# Altium PCB AD9864.PcbDoc
Units mil, origin at the board's own origin, x right, y up, seen from the top; angles counter-clockwise.
Board outline 1600 x 1421 mil, 4 copper layers (Top Layer, Layer 1, Layer 2, Bottom Layer), stack 23.756 mil thick; 57 components, 43 nets, 192 pads, 204 vias.
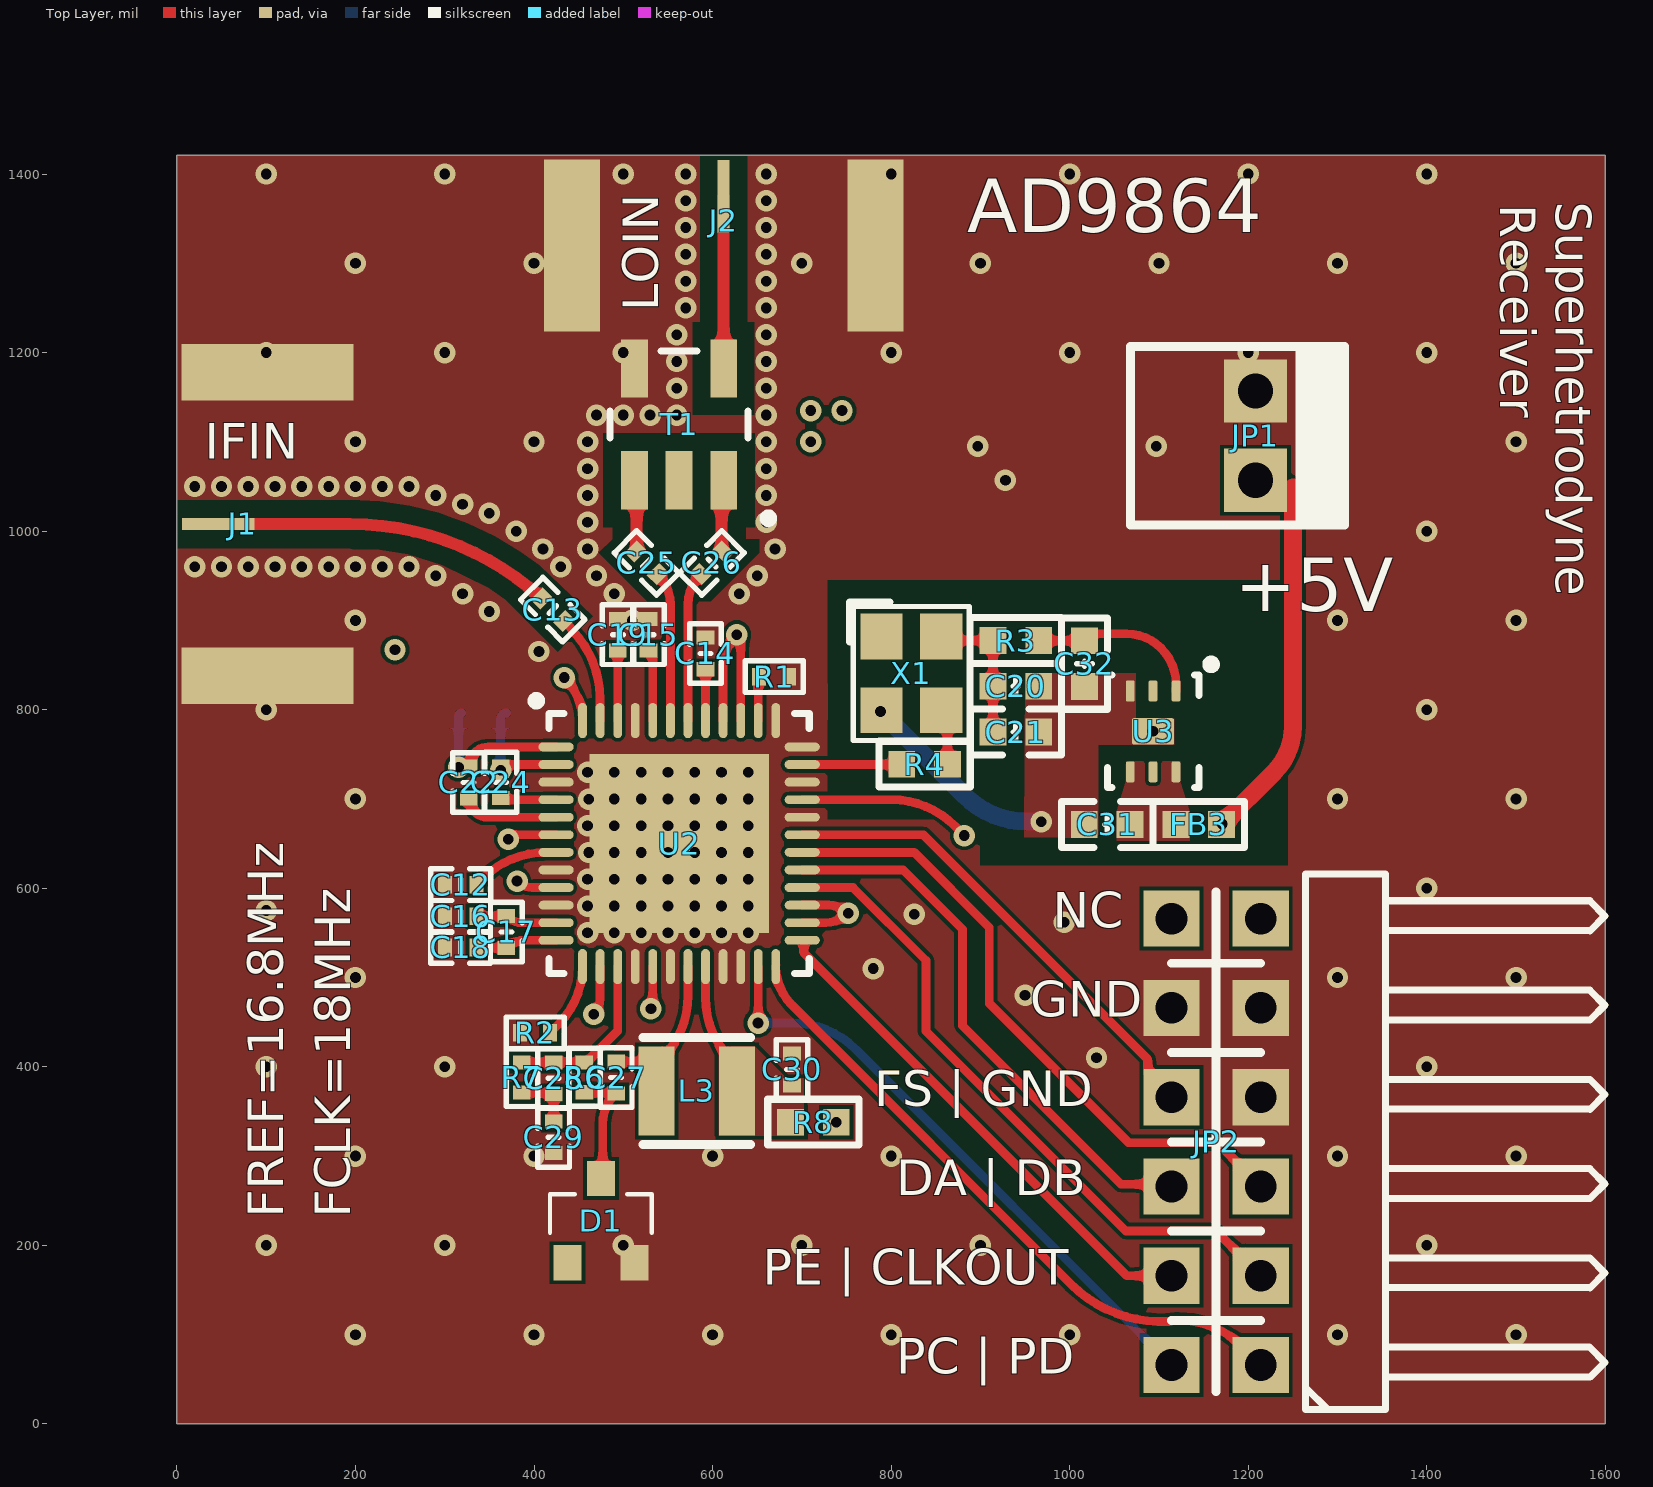
[diagram p0: Top Layer view]
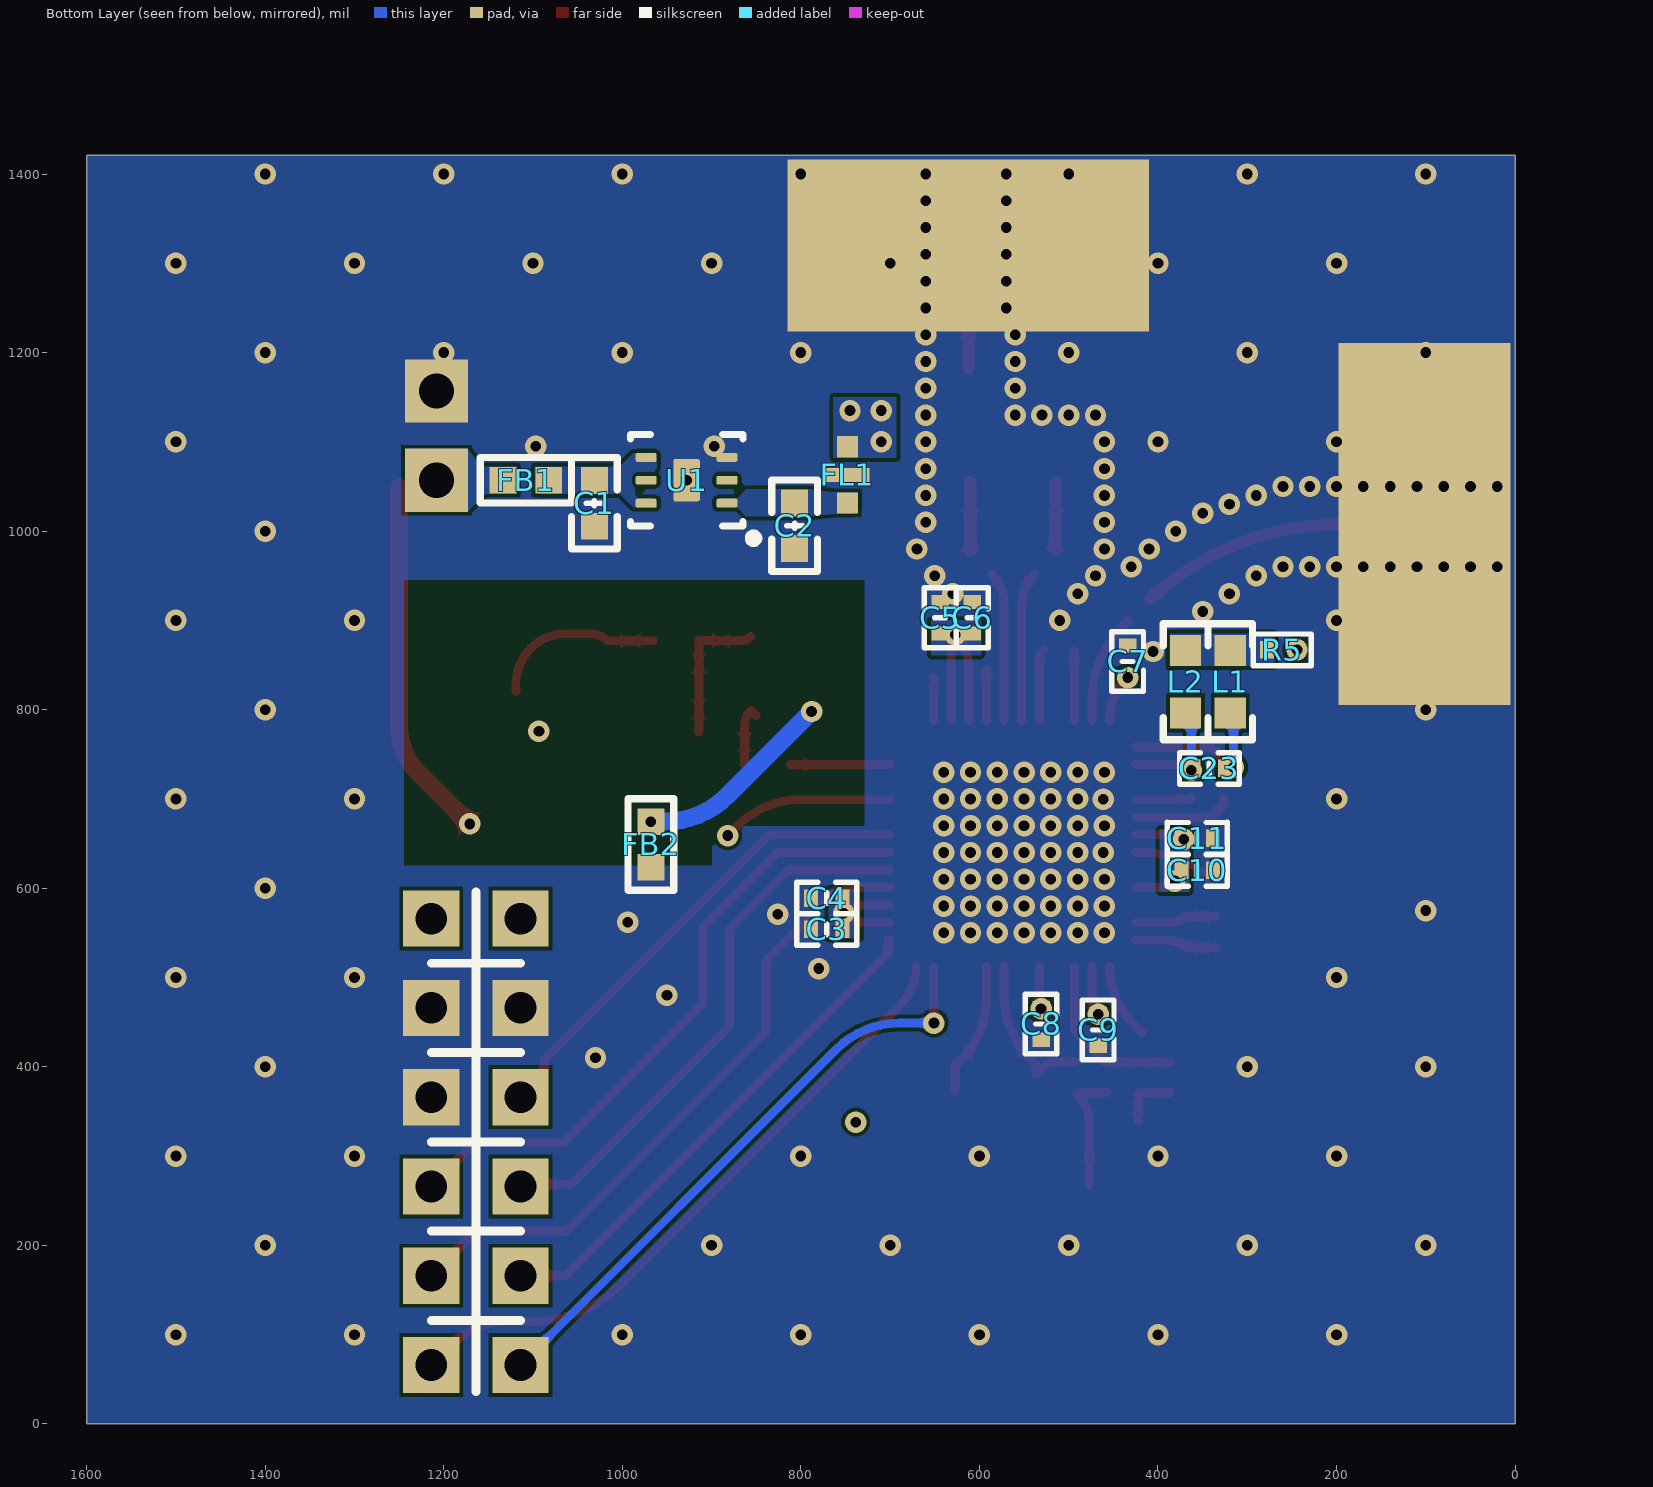
[diagram p1: Bottom Layer view, seen from below]
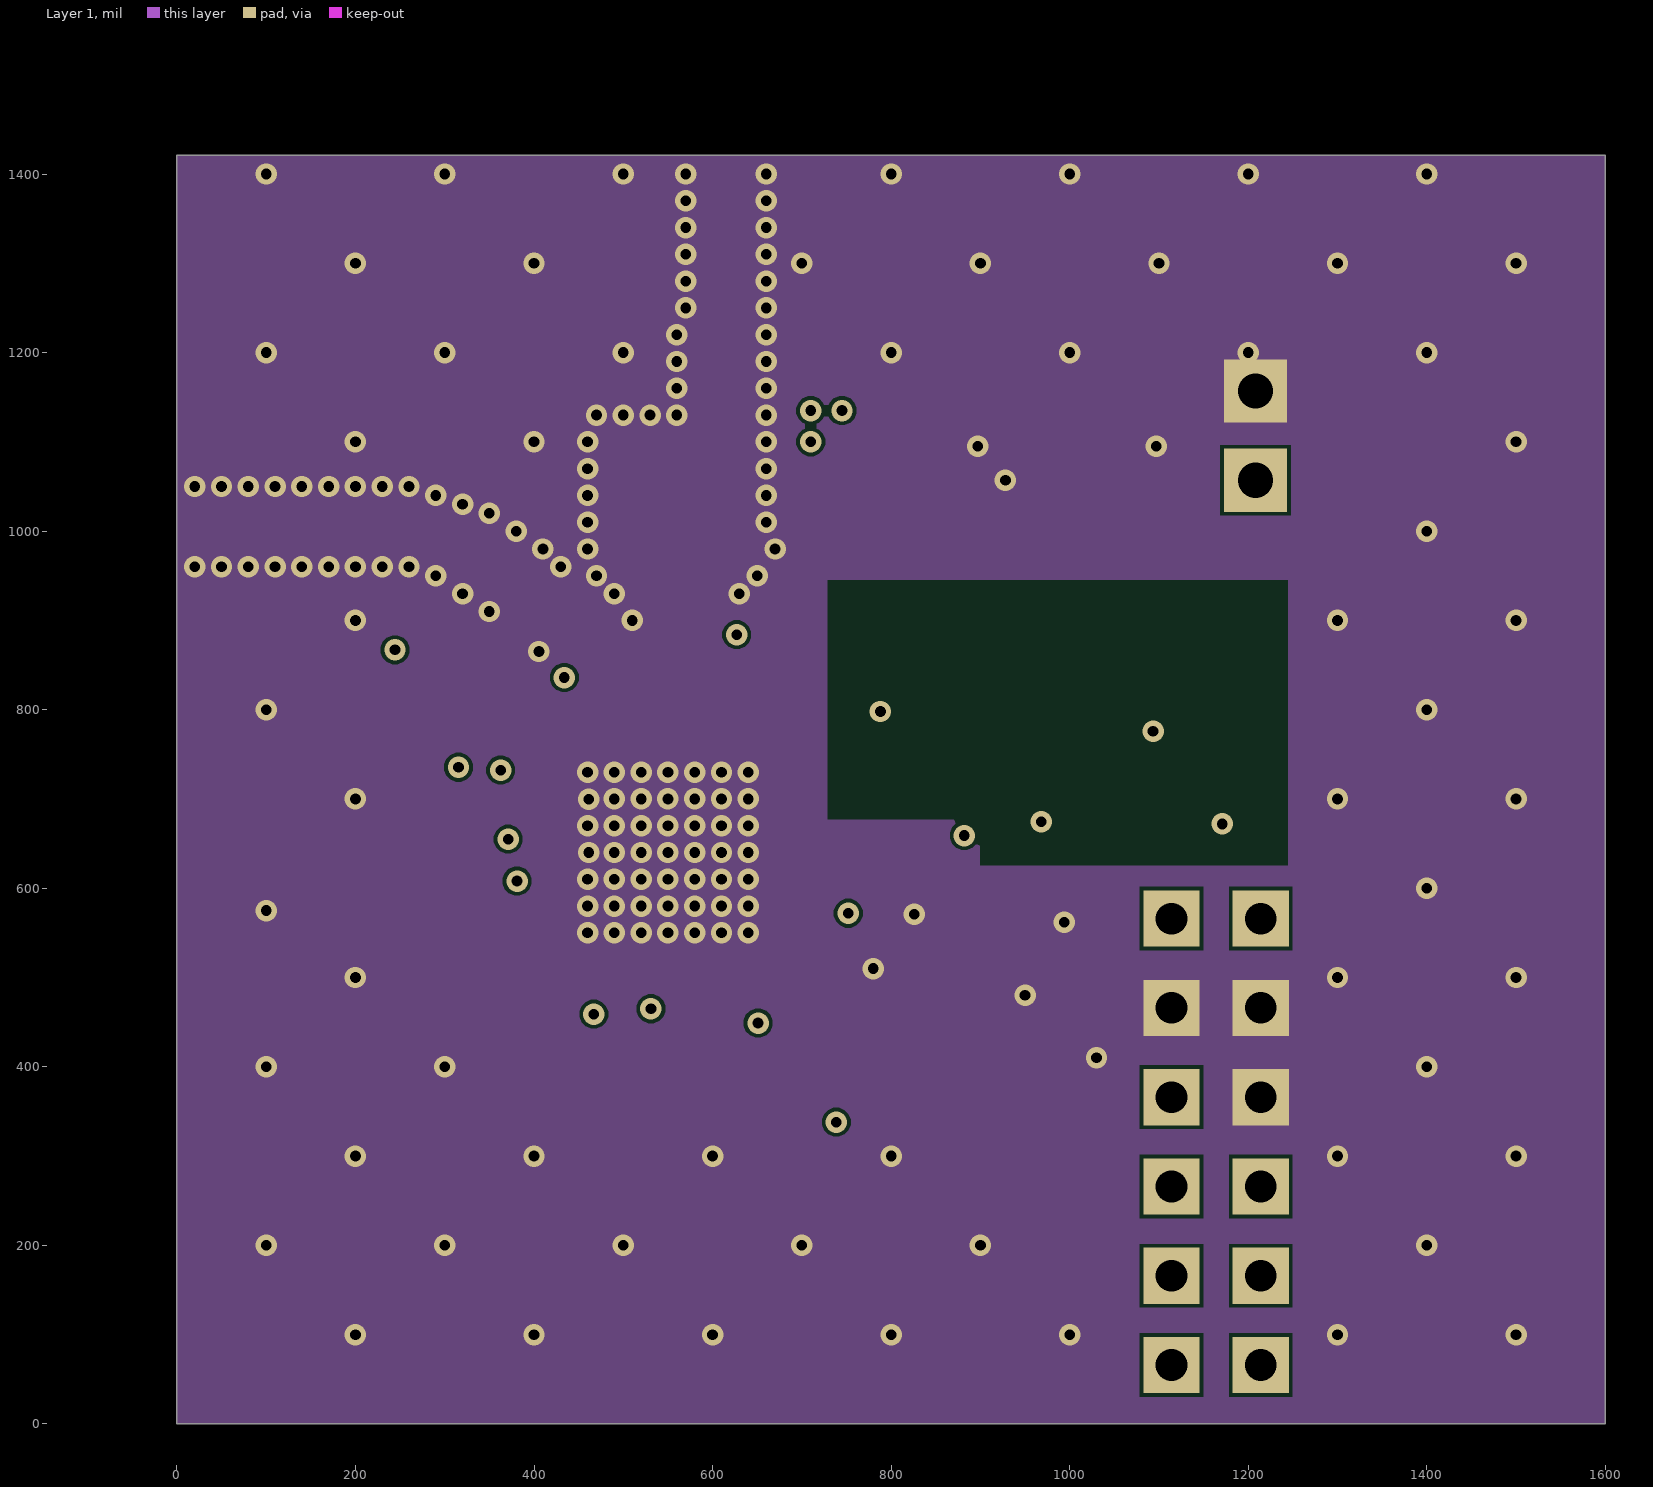
[diagram p2: Layer 1]
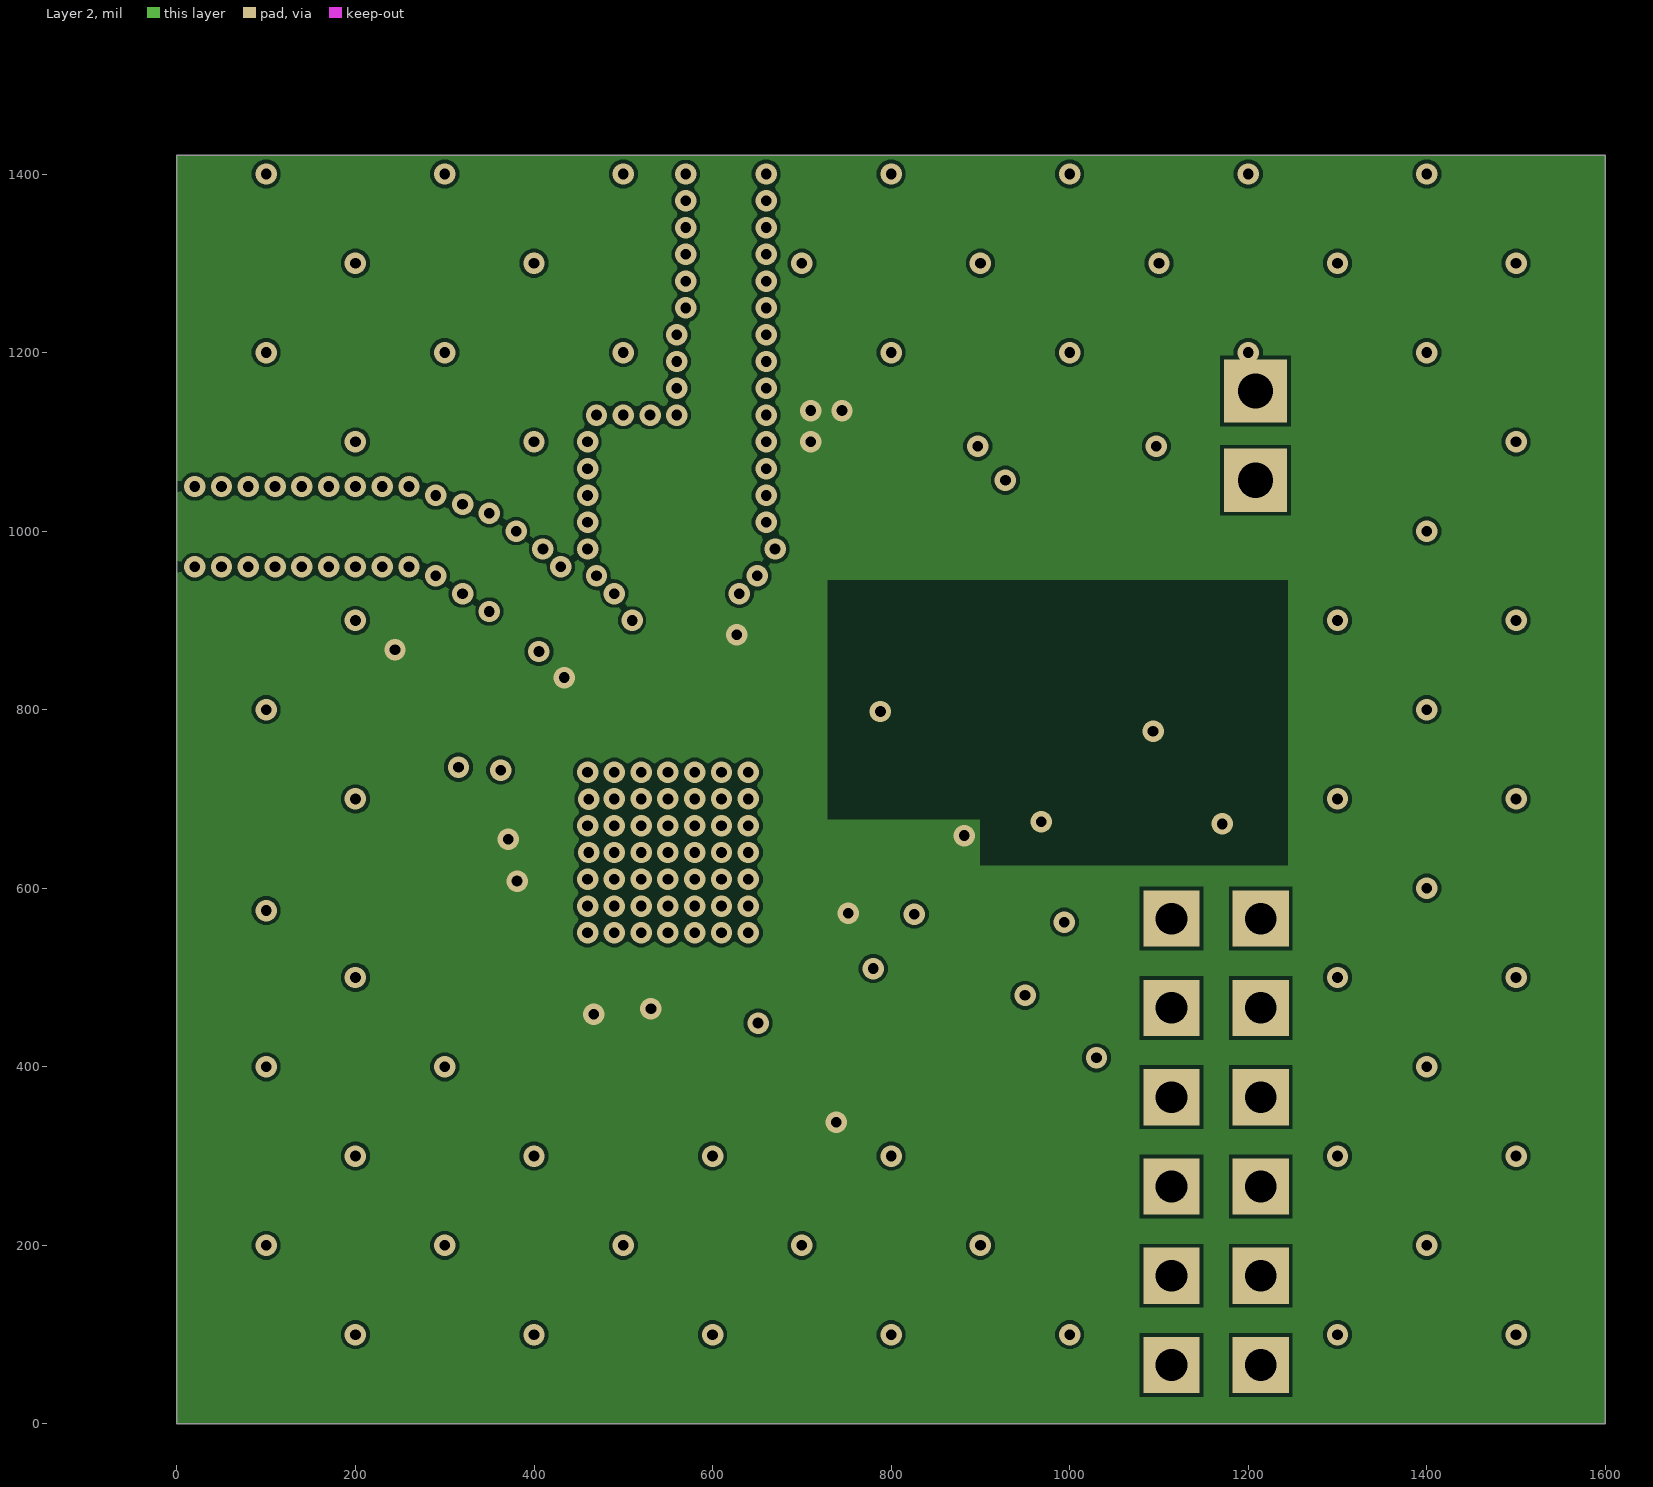
[diagram p3: Layer 2]

## Layer stack, top to bottom
Top Solder: solder mask 0.4, Solder Resist, Dk 3.5
Top Layer: signal copper 1.4
Dielectric 2: prepreg 2.8, PP-006, Dk 4.1
Layer 1: signal copper 1.378
Dielectric 1: dielectric 12.6, FR-4, Dk 4.8
Layer 2: signal copper 1.378
Dielectric 3: prepreg 2.8, PP-006, Dk 4.1
Bottom Layer: signal copper 1.4
Bottom Solder: solder mask 0.4, Solder Resist, Dk 3.5

## Board outline
0,0 1600,0 1600,1421 0,1421

## Design rules (kind name [scope] priority, off if disabled: settings)
Clearance [All] p1: gap=4 ignorepadtopadclearanceinfootprint=TRUE
PlaneConnect [All] p1: planeconnectstyle=Direct reliefexpansion=20 reliefentries=4 reliefconductorwidth=10 reliefairgap=10
PolygonConnect [All] p1: connectstyle=Direct reliefconductorwidth=10 reliefentries=4 polygonreliefangle="90 Angle" airgapwidth=10
RoutingVias [All] p1: holewidth=28 width=50 viastyle="Through Hole" minholewidth=28 minwidth=50 maxholewidth=28 maxwidth=50
SolderMaskExpansion [All] p1: expansion=4 istentingtop=FALSE
Width [All] p1: maxlimit=20 minlimit=9 preferedwidth=10
29 further rules are at their usual default settings.

## Components (designator, comment, footprint, x,y, rotation, side; value= is the part's Value field where it differs from the comment)
C1 "1uF" "C 0603_L" 1031.29,1031.1 r270 bottom
C2 "1uF" "C 0603_L" 807,1006 r270 bottom
C3 "100nF" "C 0402_L" 771,554 r180 bottom
C4 "100nF" "C 0402_L" 771,589 r180 bottom
C5 "100nF" "C 0402_L" 644,903 r270 bottom
C6 "100nF" "C 0402_L" 608,903 r270 bottom
C7 "100nF" "C 0402_L" 434,854 r270 bottom
C8 "100nF" "C 0402_L" 531,448 r90 bottom
C9 "100nF" "C 0402_L" 467,441.29 r90 bottom
C10 "100nF" "C 0402_L" 356,620 r0 bottom
C11 "100nF" "C 0402_L" 356,656 r0 bottom
C12 "2.2nF" "C 0402_L" 318,604 r180 top
C13 "10nF" "C 0402_L" 421,912 r135 top
C14 "1nF" "C 0402_L" 592.07,862.98 r270 top
C15 "100nF" "C 0402_L" 528.24,884 r270 top
C16 "100pF" "C 0402_L" 317.86,568.56 r180 top
C17 "10nF" "C 0402_L" 369,551 r90 top
C18 "100pF" "C 0402_L" 317.8,533.64 r180 top
C19 "100nF" "C 0402_L" 494,884 r270 top
C20 "1uF" "C 0603_L" 939.7,826.27 r0 top
C21 "100pF" "C 0603_L" 939.74,775.01 r0 top
C22 "100pF" "C 0402_L" 326.68,718.48 r90 top
C23 "180pF" "C 0402_L" 342.42,734.23 r180 bottom
C24 "100pF" "C 0402_L" 362.85,718.69 r90 top
C25 "10nF" "C 0402_L" 526.11,964.47 r315 top
C26 "10nF" "C 0402_L" 599.13,964.46 r225 top
C27 "91pF" "C 0402_L" 492,388 r90 top
C28 "100nF" "C 0402_L" 421.96,387.03 r90 top
C29 "680nF" "C 0402_L" 422,321 r90 top
C30 "100nF" "C 0402_L" 689,397 r270 top
C31 "1uF" "C 0603_L" 1041.99,671.41 r180 top
C32 "1uF" "C 0603_L" 1016.59,851.58 r270 top
D1 "1SV228" TRANS_SSM3J325F,LF 475,227.76 r90 top
FB1 "120欧磁珠" "R 0603_L" 1108,1057 r180 bottom
FB2 "120磁珠" "R 0603_L" 968,649 r270 bottom
FB3 "120欧磁珠" "R 0603_L" 1144.58,671.41 r180 top
FL1 "NFM18CC223R1C3D" FIL_NFM18CC223R1C3D 748,1063 r90 bottom (schematic designator FL?)
J1 "132414" CONN_132414_AMP -98.59,1008 r90 top
J2 "132414" CONN_132414_AMP 612.44,1520 r0 top
JP1 "HDR-1X2" KF2510-LI-2P 1208,1107 r270 top
JP2 "Header 6X2" HDR2.54-WI-2x6P 1164,316 r90 top
L1 "10uH" "L 0603" 319.11,831.25 r90 bottom
L2 "10uH" "L 0603" 369.11,831.25 r90 bottom
L3 "AISC-1008F-1R2J-T" IND-SMD_L2.9-W2.8 582.3,373 r180 top
R1 "10" "R 0402_L" 668,837 r0 top
R2 "100K" "R 0402_L" 402.18,438.12 r180 top
R3 "10" "R 0603_L" 939.66,877.46 r180 top
R4 "33" "R 0603_L" 837.41,739 r180 top
R5 "50" "R 0402_L" 262,867 r180 bottom
R6 "2K" "R 0402_L" 456.49,389.2 r270 top
R7 "390" "R 0402_L" 386.46,389.04 r270 top
R8 "3.6K" "R 0603_L" 713,338 r180 top
T1 "TC1-1-13M+" FP-TC1-1-13M+-MFG 562.44,1119.47 r180 top
U1 "LP5900SD-3.3/NOPB" NGF0006A_V 928,1057 r0 bottom
U2 "AD9864BCPZ" CP-48-1_M 562.62,650 r0 top
U3 "LP5900SD-3.3/NOPB" NGF0006A_V 1093.41,775.68 r270 top
X1 "16.8M" "OSC 3225-4P" 822.59,840.58 r270 top

## Footprints (in the part's own frame and the unit in brackets; to place one, negate y for a bottom-side part, rotate by r counter-clockwise, add the part's x,y. Pads: shape width x height; smd on the part's side, far side on the other; paste and mask are expansions set on the pad)
"C 0402_L" [mm] "无极性贴片电容"
  rect 0.4x0.5 smd: 1(-0.45,0) 2(0.45,0)
  silkscreen extent -0.85,-0.45 0.85,0.45, body extent -0.5,-0.26 0.5,0.26, height 0.53
"C 0603_L" [mil] "无极性贴片电容"
  rect 30x30 smd: 1(-25.59,0) 2(25.59,0)
  silkscreen extent -51,-26 51,26, body extent -31,-16 31,16, height 32
CONN_132414_AMP [mil]
  rect 13.48x81 smd paste+0 mask+0: 1(0,-145)
  rect 63x193 smd mask+0: 2(-170,-200) 3(170,-200)
  rect 405x193 smd far side mask+0: 4(0,-200)
  body extent -188,-292 188,270, height 162
CP-48-1_M [mm] "QFN, 48-Leads, Body 7x7mm, Pitch 0.5mm, Thermal Pad 5.1x5.1mm, IPC Low Density"
  oval 1x0.25 smd: 1(-3.5,2.75) 2(-3.5,2.25) 3(-3.5,1.75) 4(-3.5,1.25) 5(-3.5,0.75) 6(-3.5,0.25) 7(-3.5,-0.25) 8(-3.5,-0.75) 9(-3.5,-1.25) 10(-3.5,-1.75) 11(-3.5,-2.25) 12(-3.5,-2.75) 25(3.5,-2.75) 26(3.5,-2.25) 27(3.5,-1.75) 28(3.5,-1.25) 29(3.5,-0.75) 30(3.5,-0.25) 31(3.5,0.25) 32(3.5,0.75) 33(3.5,1.25) 34(3.5,1.75) 35(3.5,2.25) 36(3.5,2.75)
  oval 0.25x1 smd: 13(-2.75,-3.5) 14(-2.25,-3.5) 15(-1.75,-3.5) 16(-1.25,-3.5) 17(-0.75,-3.5) 18(-0.25,-3.5) 19(0.25,-3.5) 20(0.75,-3.5) 21(1.25,-3.5) 22(1.75,-3.5) 23(2.25,-3.5) 24(2.75,-3.5) 37(2.75,3.5) 38(2.25,3.5) 39(1.75,3.5) 40(1.25,3.5) 41(0.75,3.5) 42(0.25,3.5) 43(-0.25,3.5) 44(-0.75,3.5) 45(-1.25,3.5) 46(-1.75,3.5) 47(-2.25,3.5) 48(-2.75,3.5)
  rect 5.1x5.1 smd: 49(0,0)
  silkscreen extent -4.19,-3.7 3.7,4.19, body extent -3.55,-3.55 3.55,3.55, height 1
FIL_NFM18CC223R1C3D [mm]
  rect 0.6x0.6 smd: 1(-0.8,0) 3(0.8,0)
  rect 0.4x1.27 smd: 2(0,0)
  body extent -0.8,-0.4 0.8,0.4, height 0.7
FP-TC1-1-13M+-MFG [mil]
  rect 30x65 smd paste+0 mask+0: 1(-50,62.5) 2(0,62.5) 3(50,62.5) 4(50,-62.5) 6(-50,-62.5)
  silkscreen extent -105,-83 78,110, body extent -81,-99 81,99, height 10
HDR2.54-WI-2x6P [mm] "双排弯脚排针，6x2脚"
  rect 1.6x1.6 hole 0.9: 1(-6.35,-1.27) 2(-6.35,1.27) 3(-3.81,-1.27) 4(-3.81,1.27) 5(-1.27,-1.27) 6(-1.27,1.27) 7(1.27,-1.27) 8(1.27,1.27) 9(3.81,-1.27) 10(3.81,1.27) 11(6.35,-1.27) 12(6.35,1.27)
  silkscreen extent -7.62,-11.06 7.62,1.27, body extent -7.62,-11.23 7.62,1.62, height 5.1
IND-SMD_L2.9-W2.8 [mm]
  rect 1.02x2.54 smd paste+0 mask+0.051: 1(-1.145,0) 2(1.145,0)
  silkscreen extent -1.52,-1.52 1.52,1.52, body extent -1.46,-1.65 1.46,1.14, height 2.28
KF2510-LI-2P [mm] "接插件/2A"
  rect 1.8x1.8 hole 1: 1(-1.27,0) 2(1.27,0)
  silkscreen extent -2.59,-3.56 2.54,2.54, body extent -2.54,-3.5 2.54,2.4, height 11.05
"L 0603" [mil] "小功率贴片电感"
  rect 35x35 smd: 1(-35,0) 2(35,0)
  silkscreen extent -65,-25 65,25, body extent -31,-16 31,16, height 31
NGF0006A_V [mm] "SON, 6-Leads, Body 2.2x2.5mm, Pitch 0.65mm, NSC Recommended (SC-70 Land)"
  rrect40% 0.6x0.25 smd paste-0.125 mask+0.051: 1(-1.15,0.65) 2(-1.15,0) 3(-1.15,-0.65) 4(1.15,-0.65) 5(1.15,0) 6(1.15,0.65)
  rrect13% 0.75x1.2 smd paste-0.6 mask+0.051: 7(0,0)
  silkscreen extent -2.03,-1.3 1.6,1.78, body extent -1.3,-1.15 1.3,1.15, height 0.8
"OSC 3225-4P" [mm] "3.2*2.5*0.7mm(长宽高)  淘宝ID:小糖豆的小窝窝"
  rect 1.3x1.2 smd: 1(-1.05,-0.85) 2(1.05,-0.85) 3(1.05,0.85) 4(-1.05,0.85)
  silkscreen extent -2.03,-1.75 1.91,1.65, body extent -1.6,-1.25 1.6,1.25, height 0.7
"R 0402_L" [mm] "1/16W贴片电阻 https://item.taobao.com/item.htm?ft=t&id=613637044352"
  rect 0.4x0.5 smd: 1(-0.4,0) 2(0.45,0)
  silkscreen extent -0.8,-0.45 0.85,0.45, body extent -0.5,-0.25 0.5,0.25, height 0.3
"R 0603_L" [mil] "1/10W贴片电阻 https://item.taobao.com/item.htm?ft=t&id=613637044352"
  rect 30x30 smd: 1(-25.59,0) 2(25.59,0)
  silkscreen extent -51,-26 51,26, body extent -31,-16 31,16, height 16
TRANS_SSM3J325F,LF [mm]
  rect 1x0.8 smd: 1(-1.2,0.95) 2(-1.2,-0.95) 3(1.2,0)
  silkscreen extent -0.35,-1.45 0.75,1.45, body extent -1.15,-1.45 1.15,1.45, height 1.1

## Part data
C1 C2 C3 C4 C5 C6 C7 C8 C9 C10 C11 C12 C13 C14 C15 C16 C17 C18 C19 C20 C21 C22 C23 C24 C25 C26 C27 C28 C29 C30 C31 C32: library part C, "贴片电容", BOM名称=贴片电容, 下单链接=https://item.taobao.com/item.htm?ft=t&id=613637044352, 淘宝ID=小糖豆的小窝窝
D1: "Varactor 1 Pair Common Cathode 15V Surface Mount S-Mini", Package="SC-59 Toshiba", Availability="In Stock", Check_prices=https://www.snapeda.com/parts/1SV228/Toshiba/view-part/?ref=eda, MF=Toshiba, MP=1SV228, Price=None, Purchase-URL=https://pricing.snapeda.com/search/part/1SV228/?ref=eda, SnapEDA_Link=https://www.snapeda.com/parts/1SV228/Toshiba/view-part/?ref=snap
FB1 FB2 FB3 R1 R2 R3 R4 R5 R6 R7 R8: library part R, "贴片电阻", BOM名称=贴片电阻, 下单链接=https://item.taobao.com/item.htm?ft=t&id=613637044352, 淘宝ID=小糖豆的小窝窝
FL1: "SMD Capacitor with Capacitance: 22000pF Tol. 20%. Rated Voltage: 16Vdc", Package=NONSTANDARD, Availability="In Stock", Check_prices=https://www.snapeda.com/parts/NFM18CC223R1C3D/Murata/view-part/?ref=eda, MF=Murata, MP=NFM18CC223R1C3D, Price=None, Purchase-URL=https://pricing.snapeda.com/search/part/NFM18CC223R1C3D/?ref=eda, SnapEDA_Link=https://www.snapeda.com/parts/NFM18CC223R1C3D/Murata/view-part/?ref=snap
J1 J2: "No Description Available", Mfr_Name="Amphenol ICC", Copyright="Copyright (C) 2022 Ultra Librarian. All rights reserved.", Manufacturer_Part_Number=132414, RefDes=RefDes, Type=DEV
JP1: library part "Header 2", "2P接插件", BOM名称=2P接插件, 下单链接=https://item.taobao.com/item.htm?ft=t&id=613637044352, 淘宝ID=小糖豆的小窝窝
JP2: library part "Header  6X2", "6*2P接插件", BOM名称=6*2P接插件, 下单链接=https://item.taobao.com/item.htm?ft=t&id=613637044352, 淘宝ID=小糖豆的小窝窝
L1 L2 L3: library part L, "小功率贴片电感", BOM名称=小功率贴片电感, 下单链接=https://item.taobao.com/item.htm?ft=t&id=613637044352
T1: library part CMP-00025-00004-1, "RF Transformer 1: 1 5 Terminal SMD", RoHS Compliant=Yes
U1 U3: library part CMP-019-00050-1, "150-mA, low-noise, low-IQ, low-dropout voltage regulator with enable 6-WSON -40 to 125", Dropout Voltage=80mV, Max Operating Temperature=85°C, Max Supply Voltage=5.5V, Min Operating Temperature=-40°C, Min Supply Voltage=2.5V, Output Current=150mA, Output Voltage=3.3V, Mounting Technology="Surface Mount", Pins=6
U2: library part CMP-00025-00003-1, "IC IF SUBSYSTEM GEN-PURP 48LFCSP", Frequency=300MHz, Max Operating Temperature=85°C, Min Operating Temperature=-40°C, Pins=48, RoHS Compliant=Yes
X1: library part XTAL-ACT-4P, "4脚有源晶振", BOM名称=4脚有源晶振, 下单链接=https://item.taobao.com/item.htm?ft=t&id=613637044352, 淘宝ID=小糖豆的小窝窝

## Via types
v1: diameter 24, hole 12, Top Layer to Bottom Layer, tented both sides, 204 vias

## Nets (pads, with @x,y where several pads share a name; then routed paths per layer and width w, separated by ;. In a path a pad name is that pad's centre, name@x,y a point inside that pad or via, vN(x,y) a via of type N, cw(c..) or ccw(c..) an arc to the next point about the centre after c; other vN are vias at no path point)
3V3: C3.2 C4.2 C5.2 C6.2 C7.2 C8.2 C9.2 C10.2 C11.2 FL1.3 R5.2 R8.1 U2.6 U2.9 U2.14 U2.17 U2.26 U2.27 U2.33 U2.39 U2.40 U2.48 | length 757.5
  Top Layer w9.84: v1(371,655) cw(c382.7,643.3) 382.7,659.85 U2.6 ; v1(381,608) ccw(c398.4,625.4) 398.4,600.79 U2.9 ; v1(434,836) cw(c387.12,787.81) 454.35,788.46 U2.48@454.35,787.81 ; v1(467,459) ccw(c450.02,475.98) 474.03,475.98 U2.14 ; v1(531,465) ccw(c525.95,470.05) 533.09,470.05 U2.17 ; U2.40 611.83,847.38 cw(c663.62,847.38) v1(627,884) cw(c616.1,873.1) 631.52,873.1 U2.39 ; U2.26 726.46,561.42 ccw(c726.46,597.54) v1(752,572) ccw(c730.01,550.01) 730.01,581.11 U2.27 ; U2.33 800.36,699.22 cw(c800.36,599.22) 871.07,669.93 v1(882,659)
  other v1: 738.59,338 244.29,867 710,1100 710,1135 745,1135
+5: FB1.1 FB3.1 JP1.2 | length 417.9
  Top Layer w20: v1(1171,672) 1228.71,729.71 ccw(c1177.31,781.11) 1250,781.11 1250,1049 ; JP1.2@1200,1049 JP1.2
CLKN: C30.2 L3.1 R8.2 U2.20 | length 146.2
  Top Layer w9.84: U2.20 592.14,477.46 ccw(c692.14,477.46) 621.43,406.75 L3.1@623.55,404.64 ; L3.1 L3.1@627.38,402.92
CLKOUT: JP2.3 U2.28 | length 740
  Top Layer w9.84: U2.28 757.21,600.79 839,519 839,440 1063,216 1164,216 JP2.3
CLKP: C27.2 L3.2 U2.19 | length 183.4
  Top Layer w9.84: C27.2 522.06,405.71 537.22,390.56 537.22,402.92 543.17,408.87 ccw(c472.46,479.58) 572.46,479.58 U2.19
DOUTA: JP2.6 U2.29 | length 623.7
  Top Layer w9.84: U2.29 813.52,620.48 880,554 880,446 1057.51,268.49 1111.51,268.49 JP2.6
DOUTB: JP2.5 U2.30 | length 718.4
  Top Layer w9.84: U2.30 825.84,640.16 910,556 910,471 1066,315 1165,315 JP2.5
FREF: R4.2 U2.35 | length 111.5
  Top Layer w9.84: U2.35 810.82,738.59 ccw(c810.82,740) R4.2
FS: JP2.8 U2.31 | length 544.7
  Top Layer w9.84: U2.31 836.15,659.85 1087.42,408.58 1087.42,392.58 JP2.8
GND: C1.2 C2.2 C3.1 C4.1 C5.1 C6.1 C7.1 C8.1 C9.1 C10.1 C11.1 C12.2 C14.1 C15.1 C16.2 C18.2 C19.1 C29.1 C30.1 D1.2 FB2.2 FL1.2 J1.2 J1.3 J1.4 J2.2 J2.3 J2.4 JP1.1 JP2.7 JP2.9 JP2.10 R1.2 R2.2 T1.4 U1.3 U1.7 U2.3 U2.8 U2.10 U2.16 U2.18 U2.21 U2.22 U2.32 U2.34 U2.36 U2.37 U2.45 U2.49
  other v1: 200,100 400,100 600,100 800,100 1000,100 1300,100 1500,100 100,200 300,200 500,200 700,200 900,200 1400,200 200,300 400,300 600,300 800,300 1300,300 1500,300 100,400 300,400 1400,400 1030,410 950,480 200,500 1300,500 1500,500 780,510 460,550 490,550 520,550 550,550 580,550 610,550 640,550 994,562 826,571 100,575 460,580 490,580 520,580 550,580 580,580 610,580 640,580 1400,600 460,610 490,610 520,610 550,610 580,610 610,610 640,610 461.17,640.05 490,640 520,640 550,640 580,640 610,640 640,640 460,670 490,670 520,670 550,670 580,670 610,670 640,670 200,700 461.42,699.66 490,700 520,700 550,700 580,700 610,700 640,700 1300,700 1500,700 460,730 490,730 520,730 550,730 580,730 610,730 640,730 100,800 1400,800 405.55,865.19 200,900 510,900 1300,900 1500,900 350,910 320,930 490,930 630,930 290,950 470,950 650,950 20,960 50,960 80,960 110,960 140,960 170,960 200,960 230,960 260,960 430,960 410,980 460,980 670,980 380,1000 1400,1000 460,1010 660,1010 350,1020 320,1030 290,1040 460,1040 660,1040 20,1050 50,1050 80,1050 110,1050 140,1050 170,1050 200,1050 230,1050 260,1050 928,1057 460,1070 660,1070 897,1095 1097,1095 200,1100 400,1100 460,1100 660,1100 1500,1100 470,1130 500,1130 530,1130 560,1130 660,1130 560,1160 660,1160 560,1190 660,1190 100,1200 300,1200 500,1200 800,1200 1000,1200 1200,1200 1400,1200 560,1220 660,1220 570,1250 660,1250 570,1280 660,1280 200,1300 400,1300 700,1300 900,1300 1100,1300 1300,1300 1500,1300 1500,1300 570,1310 660,1310 570,1340 660,1340 570,1370 660,1370 100,1400 300,1400 500,1400 570,1400 660,1400 800,1400 1000,1400 1200,1400 1400,1400
IF2N: C24.1 U2.4 | length 63.4
  Top Layer w9.84: C24.1@362.39,701.66 364.83,699.22 U2.4
IF2P: C22.1 U2.5 | length 110.3
  Top Layer w9.84: C22.1 ccw(c347.9,700.76) 347.9,679.53 U2.5
IFIN: C13.2 J1.1 | length 383.1
  Top Layer w13.48: J1.1 194.12,1008 cw(c194.12,691.02) 407.64,925.29 C13.2
IOUTC: C28.2 R6.1 R7.1 U2.15 | length 194.6
  Top Layer w9.84: R7.1 386.92,405.25 421.54,405.25 422,405.71 422.38,405.33 456.11,405.33 R6.1 458.46,404.95 493.72,440.21 U2.15
LON: C26.2 U2.42 | length 167.9
  Top Layer w9.84: U2.42 572.46,917.8 cw(c620.74,917.8) C26.2
LOP: C25.2 U2.43 | length 167.9
  Top Layer w9.84: C25.2 cw(c504.49,917.8) 552.77,917.8 U2.43
MXON: C23.1 C24.2 L2.1 U2.2 | length 134.7
  Top Layer w9.84: v1(362.62,732.32) 362.85,732.55 C24.2 365.03,738.59 U2.2
  Bottom Layer w9.84: v1(362.62,732.32) 362.62,789.76 cw(c369.11,789.76) L2.1
MXOP: C22.2 C23.2 L1.1 U2.1 | length 173.6
  Top Layer w9.84: C22.2 cw(c348.76,736.19) 348.76,758.27 U2.1
  Bottom Layer w9.84: v1(315.42,735.52) 315.42,792.57 cw(c319.11,792.57) L1.1
NetC1_1: C1.1 FB1.2 U1.4 U1.6
NetC2_1: C2.1 FL1.1 U1.1
NetC12_1: C12.1 U2.7 | length 99.8
  Top Layer w9.84: C12.1 342.59,610.87 cw(c413.3,540.16) 413.3,640.16 U2.7
NetC13_1: C13.1 U2.47 | length 123.4
  Top Layer w9.84: C13.1 440.29,892.71 cw(c438.59,891) 440.78,892 ccw(c449.68,896.2) 442.55,889.42 cw(c361.25,811.25) 474.03,811.25 474.03,802.56 U2.47
NetC14_2: C14.2 U2.41 | length 57.5
  Top Layer w9.84: C14.2 592.14,845.2 U2.41
NetC15_2: C15.2 U2.44 | length 80.5
  Top Layer w9.84: C15.2 533.09,861.43 U2.44
NetC16_1: C16.1 C17.2 U2.11 | length 91.3
  Top Layer w9.84: C16.1 335.73,568.71 C17.2 ccw(c386.61,586.32) 386.61,561.42 U2.11
NetC17_1: C17.1 C18.1 U2.12 | length 91.7
  Top Layer w9.84: C18.1 335.87,533.28 C17.1 cw(c389.41,512.87) 389.41,541.74 U2.12
NetC19_2: C19.2 U2.46 | length 78.6
  Top Layer w9.84: U2.46 493.72,866.01 C19.2
NetC20_1: C20.1 C21.1 R3.2 X1.4 | length 174.4
  Top Layer w9.84: X1.4@867.53,877.17 cw(c867.53,893.4) X1.4 ccw(c866.82,892.69) 866.82,877.46 R3.2 C20.1 C20.1 C21.1
NetC25_1: C25.1 T1.3 | length 81.6
  Top Layer w9.84: T1.3 T1.3@514.97,1054.43 ; C25.1 C25.1@514.97,978.39
  Top Layer w13.48: C25.1@514.97,978.39 T1.3@514.97,1054.43
NetC26_1: C26.1 T1.1 | length 81.5
  Top Layer w9.84: C26.1@610.27,978.38 C26.1 ; T1.1@610.27,1054.8 T1.1
  Top Layer w13.48: C26.1@610.27,978.38 T1.1@610.27,1054.8
NetC27_1: C27.1 D1.3 R6.2 | length 142.6
  Top Layer w9.84: R6.2 457.09,370.89 491.4,370.89 ccw(c526.16,336.13) 477,336.13 D1.3@477,267.24
NetC28_1: C28.1 C29.2 R7.2 | length 67.5
  Top Layer w9.84: R7.2 386.98,370.81 421.48,370.81 422,370.28 C29.2
NetC31_1: C31.1 FB3.2 U3.4 U3.6
NetC32_1: C32.1 R3.1 U3.1 | length 196.2
  Top Layer w9.84: R3.1 965.54,877.18 C32.1 cw(c1035.47,858.29) 1035.47,885 1063.94,885 cw(c1063.94,830.96) 1102.15,869.17 cw(c1060.58,827.6) U3.1
NetJ2_1: J2.1 T1.6 | length 193
  Top Layer w13.48: T1.6 J2.1
NetL1_2: L1.2 L2.2 R5.1
NetR1_1: R1.1 U2.38 | length 49.6
  Top Layer w9.84: U2.38 651.2,835.95 R1.1
NetR2_1: R2.1 U2.13 | length 91
  Top Layer w9.84: R2.1@420.88,443.04 R2.1 427.71,447.9 ccw(c363.41,512.21) U2.13
NetR4_1: R4.1 X1.3 | length 70.4
  Top Layer w9.84: X1.3@850.18,793.37 X1.3 cw(c839.29,782.48) 863,782.48 R4.1
OSC_GND: C20.2 C21.2 C31.2 C32.2 FB2.1 U3.3 U3.7 X1.2 | length 226.8
  Bottom Layer w20: v1(788,798) 882.12,703.88 ccw(c952.83,774.59) 952.83,674.59 v1(968,674.59)
  other v1: 1093.41,775.68
SPI_PC: JP2.2 U2.23 | length 680.5
  Top Layer w9.84: v1@651.1,449.1 U2.23@651.1,512.11
  Top Layer w13.48: v1(651,449) v1@651.1,449.1
  Bottom Layer w9.84: v1(651,449) 689.58,449 cw(c689.58,349) 760.29,419.71 JP2.2
SPI_PD: JP2.1 U2.24 | length 730.2
  Top Layer w9.84: U2.24 ccw(c731.47,512.21) 688.63,469.37 1001.49,156.51 ccw(c1102.65,257.67) 1122.58,116 cw(c1122.58,16) 1193.29,86.71 JP2.1
SPI_PE: JP2.4 U2.25 | length 577.4
  Top Layer w9.84: U2.25 702.18,541.74 702.18,527.82 990,240 1064,166 JP2.4
pads on no net: D1.1 JP2.11 JP2.12 T1.2 U1.2 U1.5 U3.2 U3.5 X1.1

## Polygon pours and split planes (outlines as drawn)
GND on Bottom Layer "NONET_L-01_P-001" (solid, remove dead copper, pour order 21): 0,1421 1600,1421 1600,0 0,0
NetL1_2 on Bottom Layer "NONET_L-01_P-001" (solid, remove dead copper, pour order 9): 387,849 387,885 269.79,885 269.79,849
NetC2_1 on Bottom Layer "NONET_L-01_P-001" (solid, remove dead copper, pour order 7): 759.81,1019.69 736.19,1019.67 736.17,1019.69 736.17,1043.32 759.81,1043.32 767.14,1044.2 793.43,1047.13 793.43,1016.2
+5 on Bottom Layer "NONET_L-01_P-001" (solid, remove dead copper, pour order 0): 1243,1092 1243,1022 1173,1022 1153,1042 1118,1042 1118,1072 1158,1072 1173,1092
NetC1_1 on Bottom Layer "NONET_L-01_P-001" (solid, remove dead copper, pour order 1): 1098,1041.61 1002.61,1041.61 987.38,1026.38 961.35,1026.38 961.35,1087.47 987.53,1087.47 1003,1072 1098,1072
NetC2_1 on Bottom Layer "NONET_L-01_P-001" (solid, remove dead copper, pour order 2): 894.53,1026.47 894.53,1036.3 871.7,1036.3 861.36,1046.64 789,1046.64 789,1016.66 861.66,1016.66 871.47,1026.47
3V3 on Bottom Layer "NONET_L-01_P-001" (solid, pour order 8): 763.5,1082.16 693,1082.16 693,1150 763.5,1150
3V3 on Bottom Layer "NONET_L-01_P-001" (solid, remove dead copper, pour order 12): 769,544 734,544 734,599 769,599
3V3 on Bottom Layer "NONET_L-01_P-001" (solid, remove dead copper, pour order 11): 598,861 654,861 654,900 598,900
3V3 on Bottom Layer "NONET_L-01_P-001" (solid, remove dead copper, pour order 10): 365,666 398,666 398,596 365,596
GND on Top Layer "NONET_L-01_P-001" (solid, remove dead copper, pour order 18): 0,1421 1600,1421 1600,0 0,0
OSC_GND on Top Layer "NONET_L-01_P-001" (solid, remove dead copper, pour order 16): 950,841 949,657 1032,656 1032,761 1117,761 1117,790 1075,790 cw(c1074,790) 1074,791 1074,841
CLKN on Top Layer "NONET_L-01_P-001" (solid, remove dead copper, pour order 6): 702,323 702,387 683,387 647,423 607,423 607,323
NetC31_1 on Top Layer "NONET_L-01_P-001" (solid, remove dead copper, pour order 4): 1123.94,742.41 1123.96,719.22 1134.58,685.41 1134.58,653.41 1052.58,653.41 1052.58,686.5 1062.95,719.43 1062.84,742.41
GND on Layer 1 "NONET_L-01_P-001" (solid, remove dead copper, pour order 19): 0,1421 1600,1421 1600,0 0,0
3V3 on Layer 2 "NONET_L-01_P-001" (solid, remove dead copper, pour order 22): 0,1421 1600,1421 1600,0 0,0
GND on Bottom Solder "NONET_L-01_P-001" (solid): 447.88,757 675,757 675,535.44 446.89,537.46

## Other copper
Top Layer:
  pour cut-out: 194.12,980 cw(c194.12,959.33) 199.1,979.39 226.61,979.39 258.69,973.94 297.27,961.9 315,1013 294.01,1020.34 261.25,1028.54 227.85,1033.5 194.12,1034.97
  pour cut-out: 729.37,829 729,829.37 729,945 1244,945 1244,806 1189,806 1189,910 765,910 765,907 765,829
  pour cut-out: 729.37,829 765,829 765,734 790,734 790,706 936,706 936,653 1189,653 1189,806 1244,806 1244,626 900,626 900,677 728.96,677
  pour cut-out: 477.44,1109.47 647.44,1109.47 647.44,1004.47 637.24,1004.47 637.24,990.83 652.47,990.83 652.47,975.6 598.12,921.26 527.11,921.26 472.77,975.61 488,990.84 488,1004.47 477.44,1004.47
  pour cut-out: 585.7,1420.76 585.7,1234.47 577.44,1234.47 577.44,1130 647.44,1130 647.44,1234.47 639.41,1234.47 639.41,1421.04
  pour cut-out: 406.2,961.9 466.5,904.5 426.4,864.39 367.55,923.25
  pour cut-out: 314.95,1012.85 325.81,1008.96 356.34,994.52 385.31,977.16 406.2,961.9 367.55,923.25 348.51,936.74 297.27,961.9
  pour cut-out: 194.12,1034.97 0,1034.97 0,980 194.12,980
Layer 1:
  pour cut-out: 729,945 729,677.06 899.94,677.06 900,677 900,626 1244,626 1244,945
Layer 2:
  pour cut-out: 729,945 729,677 900,677 900,626 1244,626 1244,945
Bottom Layer:
  pour cut-out: 729,945 729,670 900,670 900,626 1244,626 1244,945

## Silkscreen, mask and mechanical layers (free items; w line width, h text height)
Top Overlay:
  text "Superhetrodyne" at 1544.33,1369 h40 r270
  text "Receiver" at 1482,1366 h40 r270
  text "AD9864" at 885,1335 h60
  text "LOIN" at 539.07,1246.5 h40 r90
  text "IFIN" at 31,1081 h40
  text "+5V" at 1185,910 h60
  text "NC" at 981,556 h40
  text "GND" at 956,456 h40
  text "FS | GND" at 781,356 h40
  text "DA | DB" at 806,256 h40
  text "FREF=16.8MHz" at 119,231 h40 r90
  text "FCLK=18MHz" at 194,231 h40 r90
  text "PE | CLKOUT" at 656,156 h40
  text "PC | PD" at 806,56 h40
Mechanical 13:
  the board outline again, w6